# Altium PCB hand_main_board_v2.PcbDoc (part 4 of 4)
Units mil, origin at the board's own origin, x right, y up, seen from the top; angles counter-clockwise.
Board outline 2790.09 x 2362.2 mil, 6 copper layers (Top Layer, GND02, 03, 04, PWR05, Bottom Layer), stack 32.112 mil thick; 213 components, 153 nets, 785 pads, 872 vias.
Unrouted connection lines stored in the file: 240.
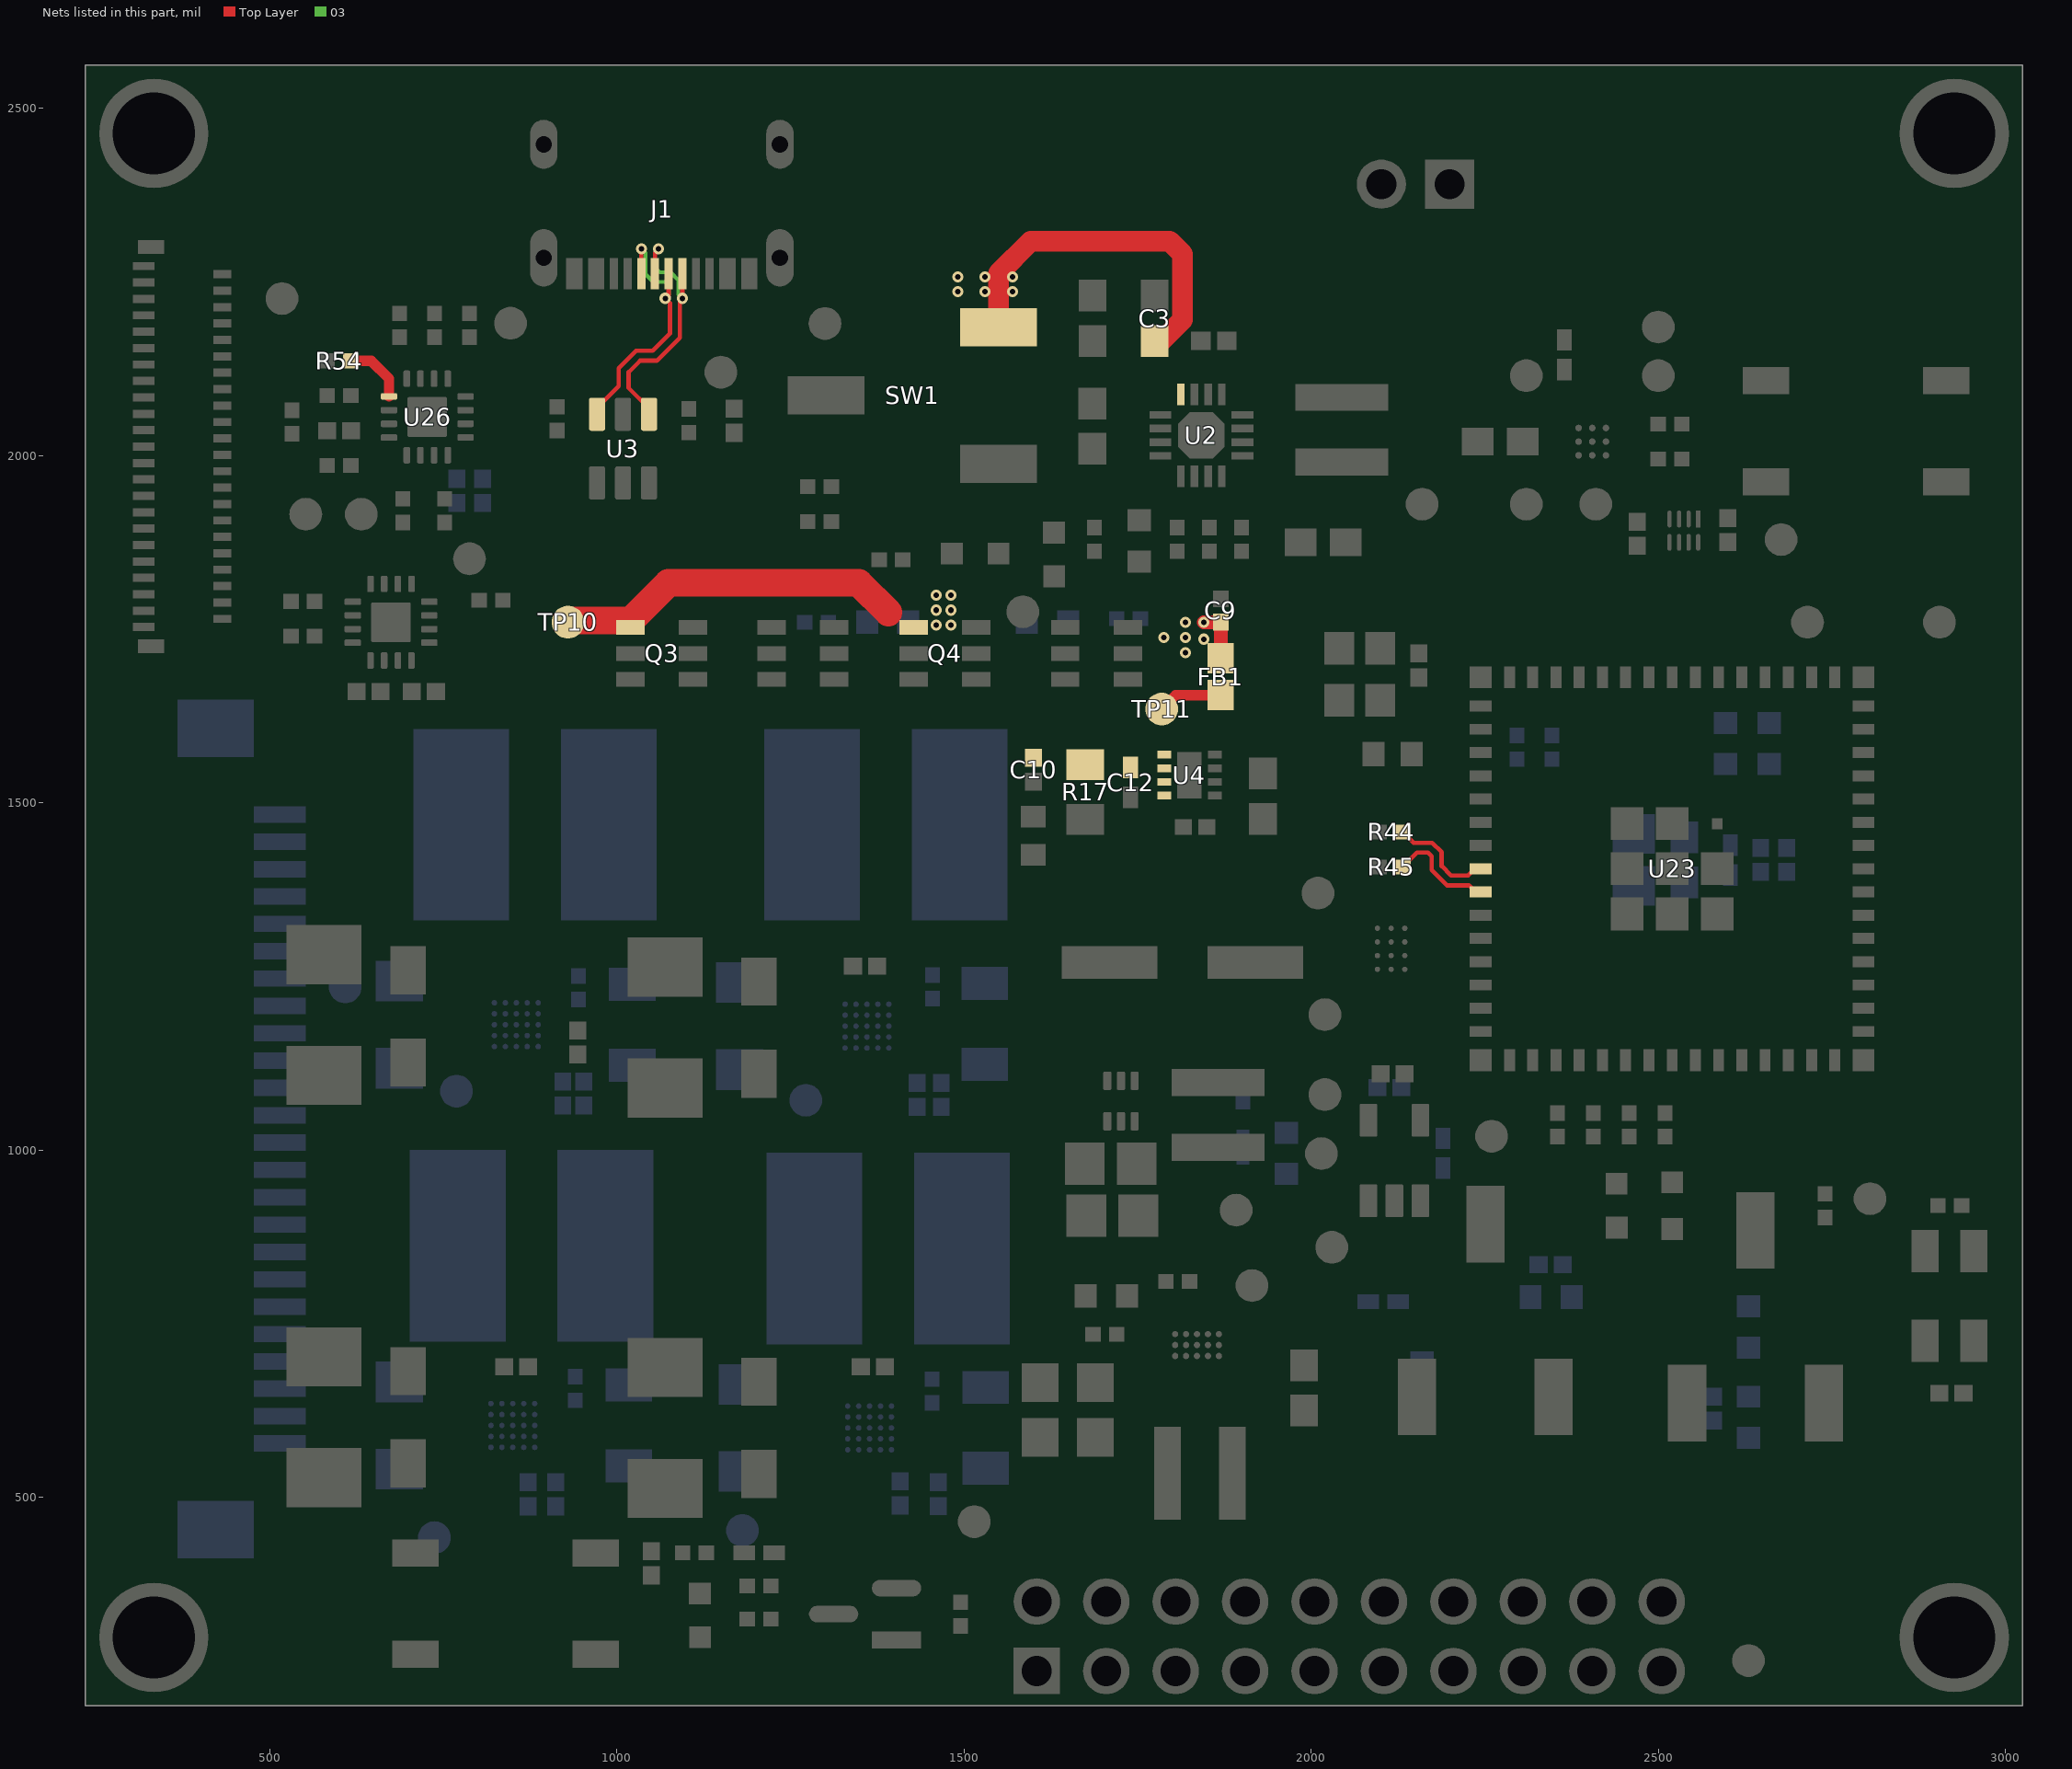
[diagram p8: the nets of this part, all layers, seen from the top]

## Via types
v1: diameter 16, hole 8, Top Layer to Bottom Layer, tented both sides, 757 vias
v2: diameter 10, hole 6, Top Layer to Bottom Layer, tented both sides, 56 vias
v3: diameter 16, hole 12, Top Layer to Bottom Layer, tented both sides, 42 vias
v4: diameter 19.68, hole 7.87, Top Layer to Bottom Layer, 8 vias
v5: diameter 20, hole 10, Top Layer to Bottom Layer, tented both sides, 6 vias
v6: diameter 12, hole 6, Top Layer to Bottom Layer, 2 vias
v7: diameter 16, hole 8, Top Layer to Bottom Layer, 1 vias

## Nets (pads, with @x,y where several pads share a name; then routed paths per layer and width w, separated by ;. In a path a pad name is that pad's centre, name@x,y a point inside that pad or via, vN(x,y) a via of type N, cw(c..) or ccw(c..) an arc to the next point about the centre after c; other vN are vias at no path point) (continued)
USB_D_N: J1.A7 J1.B7 U3.4 | length 397.5
  Top Layer w6.23: U3.4@1046.57,2059.41 1046.57,2067.95 1017.14,2097.39 1017.14,2120 1033.71,2136.57 1057.86,2136.57 1090.94,2169.66 1090.94,2222.77 v1(1094.53,2226.35) J1.B7@1094.53,2261.99 ; J1.A7@1055.16,2261.99 1055.16,2292.63 v1(1060.16,2297.63)
  03 w5.66: v1(1060.16,2297.63) 1055,2292.47 1055,2270.94 1062.28,2263.66 1077.68,2263.66 1088.6,2252.74 1088.6,2232.28 v1(1094.53,2226.35)
USB_D_P: J1.A6 J1.B6 U3.6 | length 399.8
  Top Layer w6.23: U3.6@971.77,2059.41 971.77,2068.93 1002.91,2100.07 1002.91,2125.89 1027.82,2150.8 1051.97,2150.8 1076.71,2175.55 1076.71,2219.48 v1(1069.84,2226.35) ; J1.B6@1035.47,2261.99 v1(1035.47,2297.63) ; v1@1074.84,2226.35 J1.A6@1074.84,2261.99
  03 w5.66: v1(1035.47,2297.63) 1041.34,2291.76 1041.34,2261.19 1052.53,2250 1072.03,2250 1074.94,2247.09 1074.94,2231.45 v1(1069.84,2226.35)
USB_RES_N: R44.1 U23.23 | length 153.7
  Top Layer w6.23: R44.1@2132.22,1457.89 2147.61,1442.49 2174.4,1442.49 2188,1428.89 2188,1409 2201.58,1395.42 2226.29,1395.42 2235.9,1405.04 U23.23@2244.45,1405.04
USB_RES_P: R45.1 U23.24 | length 155.9
  Top Layer w6.23: R45.1@2132.22,1407.63 2152.84,1428.26 2168.51,1428.26 2173.77,1423 2173.77,1403.11 2195.68,1381.19 2227.51,1381.19 2237.13,1371.57 U23.24@2244.45,1371.57
VBUS_INSERT_DETECT: R54.2 U26.9 | length 91.1
  Top Layer w15: R54.2@617.23,2136.31 646.45,2136.31 672.12,2110.65 U26.9@672.12,2085.06
VSYS_FILTED: C10.2 C12.2 FB1.2 R17.2 TP11.TP? U4.1 U4.2 U4.3 U4.4 | length 93.3
  Top Layer w15: TP11.TP?@1785,1635 1805,1655 FB1.2@1870,1655
VSYS_SRC: C3.2 C9.1 FB1.1 Q3.4 Q4.4 SW1.3 TP10.TP? U2.16 | length 1093.1
  Top Layer w20: v1(1845.73,1760) C9.1@1870,1760 FB1.1@1870,1708.23
  Top Layer w30: SW1.3@1550,2186.84 1550,2235.92 1550,2250 1550,2257.42 1550,2262.24 1596.41,2308.65 1796.35,2308.65 1815,2290 1815,2195.5 1784.5,2165 C3.2@1775,2165
  Top Layer w40: TP10.TP?@930,1760 932.4,1762.4 1019.92,1762.4 1074.32,1816.8 1348.54,1816.8 1391.32,1774.02
  other v1: 1819.23,1716.26 1845.73,1735.63 1787.73,1738.13 1819.23,1738.13 1460.06,1755.9 1481.56,1755.9 1819.23,1760 1460.06,1777.4 1481.56,1777.4 1460.06,1798.9 1481.56,1798.9 1491.26,2235.92 1530.63,2235.92 1570,2235.92 1491.26,2257.42 1530.63,2257.42 1570,2257.42
pads on no net: J1.1 J1.2 J1.3 J1.4 J1.A8 J1.B8 J3.P1 J3.P2 J5.46 J5.47 LED4.2 SW1.1 SW4.1 SW4.4 SW5.1 SW5.4 U2.5 U23.20 U28.A3 U28.C2 U28.C3 U29.A3 U29.C2 U29.C3 U30.A3 U30.C2 U30.C3 U31.A3 U31.C2 U31.C3 X1.1

## Polygon pours and split planes (outlines as drawn)
GND on Top Layer "GND_L01_P179" (solid, remove dead copper, pour order 179): 3015,2565 3025,2555 3025,200 3015,190 220,190 180,230 180,2495 250,2565
+1.8V on Top Layer "+1.8V_L01_P117" (solid, pour order 117): 2065,1070 2120,1070 2130,1060 2130,995 2125,990 2065,990 2060,995 2060,1065
+1.8V on Top Layer "+1.8V_L01_P039" (solid, pour order 39): 2427.16,1883.16 2416,1872 2416,1834 2418,1832 2497,1832 2510.3,1845.3 2510.3,1879.24 2506.38,1883.16
+VBUS on Top Layer "+VBUS_L01_P001" (solid, pour order 1): 17 vertices, not listed, extent 915,1960 1070,2025
AGND on Top Layer "AGND_L01_P002" (solid, remove dead copper, pour order 2): 1862,839 1876,825 1876,790 1853,767 1843,767 1843,733.14 1837.77,727.91 1827.61,727.91 1795.52,760 1709,760 1697,772 1697,825 1711,839
TPS63806_L1 on Top Layer "TPS63806_L1_L01_P003" (solid, pour order 3): 1846.28,686.68 1862.16,686.68 1880.25,686.68 1891.85,660.04 1856.97,660.04
TPS63806_L2 on Top Layer "TPS63806_L2_L01_P004" (solid, pour order 4): 1773.6,690.1 1810,690.1 1810,661.22 1773.6,661.22
VSYS_SRC on Top Layer "VSYS_SRC_L01_P161" (solid, pour order 161): 18 vertices, not listed, extent 900,1735 1495,1885
NetQ1_1 on Top Layer "NETQ1_1_L01_P162" (solid, pour order 162): 1000,1730 1127.51,1730 1137.51,1720 1200,1720 1200,1725 1205,1730 1330,1730 1340,1720 1340,1630 1335,1625 995,1625 980,1640 980,1710
NetL6_1 on Top Layer "NETL6_1_L01_P087" (solid, pour order 87): 1385.03,1168.38 1460.92,1168.38 1466.5,1173.95 1466.5,1201.5 1480,1215 1505,1215 1510,1210 1510,1165 1490,1145 1378.5,1145 1376.52,1146.97 1376.52,1159.87
NetC77_1 on Top Layer "NONET_L-01_P-001" (solid, remove dead copper, pour order 173): 1377.51,1042.51 1370,1035 1369,1036 1021,1036 1014,1043 1014,1140 1028.31,1154.31 1298.98,1154.31 1310,1165.33 1310,1185 1350,1185 1369.19,1165.81 1369.19,1154.31 1377.51,1145.99
NetC67_1 on Top Layer "NONET_L-01_P-001" (solid, remove dead copper, pour order 172): 1013,474 1019,468 1316,468 1336,488 1336,558 1323,571 1022,571 1013,562 1013,557
NetL7_1 on Top Layer "NETL7_1_L01_P085" (solid, pour order 85): 881.34,593.33 864.65,593.33 862.1,590.78 862.1,563.42 866.61,558.91 978.91,558.91 990,570 990,630 980,640 940,640 930,630 930,610 913.66,593.66 881.34,593.66
BAT+ on Top Layer "BAT+_L01_P138" (solid, pour order 138): 2558,1980 2560,1982 2603,1982 2620,1999 2620,2060 2615,2065 2565,2065 2554.53,2054.53 2554.53,2036.86 2547.1,2029.43 2524.84,2029.43 2519.13,2023.73 2519.13,1986.17 2525.3,1980
NetL4_1 on Top Layer "NETL4_1_L01_P126" (solid, pour order 126): 18 vertices, not listed, extent 865.13,1140 995,1250
BAT_INSERT_DETECT on Top Layer "BAT_INSERT_DETECT_L01_P037" (solid, pour order 37): 605,2102 638,2102 645,2095 645,2063 630.77,2048.77 630.77,2027.58 624.19,2021 607.42,2021 605,2023.42 605,2101.85
+VBUS on Top Layer "NONET_L-01_P-001" (solid, remove dead copper, pour order 170): 551.7,2135.38 551.7,2211.7 558,2218 645,2218 647,2216 647,2167 641,2161 603.64,2161 595.82,2153.18 595.82,2123.82 593,2121 559,2121 552,2128 552,2135
BAT+ on Top Layer "BAT+_L01_P147" (solid, pour order 147): 18 vertices, not listed, extent 497.28,2053.85 596.28,2185
BQ27427_SRX on Top Layer "BQ27427_SRX_L01_P169" (solid, pour order 169): 2450,2155 2465,2140 2465,2080 2455,2070 2425,2070 2420,2065 2420,2050 2415,2045 2403.26,2045 2397.43,2050.83 2397.43,2082.43 2406.51,2091.51 2406.51,2146.51 2415,2155
BAT+ on Top Layer "BAT+_L01_P010" (solid, pour order 10): 24 vertices, not listed, extent 2050,2034.92 2400,2435
VSYS_SRC on Top Layer "VSYS_SRC_L01_P148" (solid, pour order 148): 26 vertices, not listed, extent 1465,2130 1880,2370
BQ27427_SRX on Top Layer "BQ27427_SRX_L01_P146" (solid, pour order 146): 1800,1805 1805,1800 1805,1784.42 1785.58,1765 1678,1765 1673,1760 1666,1753 1624,1753 1610,1767 1610,1790 1625,1805
+3.3V on Top Layer "+3.3V_L01_P141" (solid, pour order 141): 857,721 857,676 860,673 904,673 913,682 913,717 905,725 861,725
+5V on Top Layer "+5V_L01_P027" (solid, pour order 27): 18 vertices, not listed, extent 1713.86,870 1946.27,1053.63
NetL2_2 on Top Layer "NETL2_2_L01_P042" (solid, pour order 42): 1797.42,1043.34 1919.36,1043.34 1935.63,1027.07 1935.63,971.99 1928.27,964.63 1802.31,964.63 1791.76,975.18 1791.76,1037.45 1797.42,1043.11
+3.3V on Top Layer "+3.3V_L01_P137" (solid, pour order 137): 2555,1890 2625,1890 2635,1880 2635,1845 2625,1835 2570,1835 2550,1855 2550,1885
+3.3V on Top Layer "+3.3V_L01_P134" (solid, pour order 134): 22 vertices, not listed, extent 2015,790 2175,955
+3.3V on Top Layer "+3.3V_L01_P133" (solid, pour order 133): 23 vertices, not listed, extent 1575,635 1796.38,750
BQ27427_SRX on Top Layer "BQ27427_SRX_L01_P132" (solid, pour order 132): 2104,2025 2155,2025 2203,1977 2203,1845 2193,1835 2039.45,1835 2025.07,1849.38 2025.07,1924.93 2005,1945 1965,1945 1935,1975 1935,2019.54 1940.46,2025
+VBUS on Top Layer "+VBUS_L01_P125" (solid, pour order 125): 1136,1751 1136,1735 1144,1727 1189.5,1727 1197.5,1735 1245,1735 1250,1740 1250,1755 1240,1765 1150,1765
+VBUS on Top Layer "+VBUS_L01_P124" (solid, pour order 124): 933.44,2231.26 983.44,2231.26 988.44,2226.26 988.44,2186.26 978.44,2176.26 928.44,2176.26 923.44,2181.26 923.44,2221.26
NetC78_1 on Top Layer "NETC78_1_L01_P116" (solid, pour order 116): 550,580 742,580 770,552 770,480 760,470 555,470 540,485 540,570
NetC68_1 on Top Layer "NETC68_1_L01_P115" (solid, pour order 115): 17 vertices, not listed, extent 521,1021 876.2,1175
VSYS_SRC on Top Layer "VSYS_SRC_L01_P112" (solid, pour order 112): 1760,2120 1780,2120 1805,2095 1805,2075 1810.16,2069.84 1815.5,2069.84 1817.91,2072.25 1817.91,2172.09 1800,2190 1755,2190 1750,2185 1750,2130
VSYS_SRC on Top Layer "VSYS_SRC_L01_P110" (solid, pour order 110): 1790,1755 1780,1755 1770,1745 1770,1700 1785,1685 1875,1685 1885,1695 1885,1765 1875,1775 1810,1775
VSYS_SRC on Top Layer "VSYS_SRC_L01_P099" (solid, pour order 99): 1465,1820 1486.69,1798.31 1486.69,1757.64 1479.04,1750 1390,1750 1385,1755 1385,1810 1395,1820
NetL5_1 on Top Layer "NETL5_1_L01_P082" (solid, pour order 82): 1447,567 1500,620 1500,690 1490,702 1412,702 1405,695 1405,603 1392,590 1392,583 1394.77,580.23 1405.01,580.23 1418.24,567
NetR19_2 on Top Layer "NETR19_2_L01_P081" (solid, pour order 81): 2130,712 2199,712 2214,697 2214,598 2196,580 2132,580 2125,587 2125,707
+V_IN on Top Layer "+V_IN_L01_P080" (solid, pour order 80): 2471,720 2555,720 2576,699 2576,584 2569,577 2460,577 2455,582 2455,704
TPS63806_L1 on Top Layer "TPS63806_L1_L01_P052" (solid, pour order 52): 1865,624 1911,624 1920,615 1920,459 1911,450 1861,450 1855,456 1855,614
TPS63806_L2 on Top Layer "TPS63806_L2_L01_P050" (solid, pour order 50): 1760,625 1809,625 1820,614 1820,457 1807,444 1772,444 1760,456 1760,601.13 1754.83,606.3 1754.83,617.83 1755,618 1755,620
VBUS_INSERT_DETECT on Top Layer "VBUS_INSERT_DETECT_L01_P038" (solid, pour order 38): 606,2152 663,2152 682,2133 682,2083 679,2080 665.29,2080 660.44,2084.85 660.44,2093.9 635.08,2119.27 611.44,2119.27 604.17,2126.53 604.17,2150.17
BQ27427_BIN on Top Layer "BQ27427_BIN_L01_P036" (solid, pour order 36): 2422.74,2026.54 2463.54,2026.54 2475,2038 2475,2124 2484,2133 2520,2133 2525,2128 2525,2080 2518,2073 2518,2030 2505,2017 2422.44,2017 2419.6,2019.84 2419.6,2025.35 2420.72,2026.47
BQ27427_GPOUT on Top Layer "BQ27427_GPOUT_L01_P031" (solid, pour order 31): 22 vertices, not listed, extent 2380,1900 2512,2005.83
BQ27427_VDD on Top Layer "BQ27427_VDD_L01_P030" (solid, pour order 30): 2327,2044 2332,2039 2332,2030 2333,2029 2354,2029 2359,2024 2359,1917 2340,1898 2284,1898 2277,1905 2277,2037 2284,2044
+V_IN on Top Layer "+V_IN_L01_P026" (solid, pour order 26): 27 vertices, not listed, extent 1680,1045 2050,1450
+VBUS on Top Layer "+VBUS_L01_P029" (solid, pour order 29): 1140,2146 1140,2225 1145,2230 1170,2230 1180,2220 1180,2160 1195,2146 1225,2146 1237,2134 1237,2059 1232,2054 1144.09,2054 1131.36,2066.73 1131.36,2138.36 1139,2146
+V_IN on Top Layer "+V_IN_L01_P028" (solid, pour order 28): 1885,735 1880,730 1867.68,730 1862.29,724.61 1862.29,697.79 1863.4,696.68 1878.32,696.68 1885,690 1915,660 2095,660 2115,680 2115,730 2110,735
+V_IN on Top Layer "+V_IN_L01_P025" (solid, pour order 25): 17 vertices, not listed, extent 1852.38,1375 2045,1590
VSYS_FILTED on Top Layer "VSYS_FILTED_L01_P022" (solid, pour order 22): 26 vertices, not listed, extent 1580,1500 1905,1676.69
+VBUS on Top Layer "+VBUS_L01_P008" (solid, pour order 8): 20 vertices, not listed, extent 1614.09,2053.73 1796.89,2285.4
NetC4_2 on Top Layer "NETC4_2_L01_P007" (solid, pour order 7): 1846.27,2079.72 1851.15,2074.84 1965.16,2074.84 1980,2060 2110,2060 2115,2065 2115,2150 2080,2185 1872.24,2185 1865,2177.76 1865,2122.07 1846.27,2103.34
NetQ2_1 on Top Layer "NETQ2_1_L01_P006" (solid, pour order 6): 1390,1730 1380,1720 1380,1670 1405,1645 1732.12,1645 1757.37,1670.25 1757.37,1721.9 1749.27,1730
+3.3V on Top Layer "+3.3V_L01_P005" (solid, pour order 5): 17 vertices, not listed, extent 681.37,1640 750,1735.26
+VBUS on Bottom Layer "+VBUS_L06_P111" (solid, pour order 111): 37 vertices, not listed, extent 547,1743 1660,2279
GND on Bottom Layer "GND_L06_P165" (solid, remove dead copper, pour order 165): 3015,2565 3025,2555 3025,200 3015,190 220,190 180,230 180,2495 250,2565
+1.8V on Bottom Layer "NONET_L-01_P-001" (solid, remove dead copper, pour order 182): 17 vertices, not listed, extent 270,1750 550,2305
+1.8V on Bottom Layer "+1.8V_L06_P100" (solid, pour order 100): 2139.82,1110 2142.82,1107 2142.82,992.82 2135,985 2060,985 2055,990 2055,1020 2065,1030 2100,1030 2118.8,1048.8 2118.8,1108.8 2120,1110
+5V on Bottom Layer "+5V_L06_P181" (solid, pour order 181): 1360.79,1136.97 1367.11,1130.65 1367.11,1119.95 1386.8,1100.26 1386.8,1051.4 1383.64,1048.24 1339.89,1048.24 1334.78,1053.35 1334.78,1134.05 1337.7,1136.97
+5V on Bottom Layer "+5V_L06_P180" (solid, pour order 180): 834.71,1137.4 857.6,1137.4 865,1130 865,1105 870,1100 880,1100 890,1090 890,1057.96 883.47,1051.43 839.64,1051.43 834.54,1056.53 834.54,1132.81 839.3,1137.57
AGND on Bottom Layer "AGND_L06_P178" (solid, pour order 178): 1677,837 1856,837 1880,813 1880,795 1836,751 1679,751 1658,772 1658,817 1677,836
NetC78_1 on Bottom Layer "NETC78_1_L06_P090" (solid, pour order 90): 17 vertices, not listed, extent 658,384 1058,572
FPC_BOS1901_3_OUT− on Bottom Layer "FPC_BOS1901_3_OUT−_L06_P056" (solid, pour order 56): 600.96,470.08 640.41,470.08 650.41,460.08 650.41,410.08 640.41,400.08 598.93,400.08 590.41,408.59 590.41,459.53
NetL6_2 on Bottom Layer "NETL6_2_L06_P063" (solid, pour order 63): 1198.56,1335 1201.59,1331.96 1279.04,1331.96 1334.56,1276.44 1334.56,1220.9 1338.61,1216.85 1354.85,1216.85 1364,1226 1364,1596.46 1353.56,1606.9 1223.56,1606.9 1198.56,1581.9
NetC83_1 on Bottom Layer "NONET_L-01_P-001" (solid, remove dead copper, pour order 164): 1142,1212 1143,1211 1294,1211 1300,1205 1308.05,1205 1316.86,1213.81 1316.86,1258.62 1296.48,1279 1146,1279 1142,1275
NetC77_1 on Bottom Layer "NONET_L-01_P-001" (solid, remove dead copper, pour order 163): 1139,1143 1139,1073 1167,1045 1311.89,1045 1330,1063.11 1330,1145.96 1326.96,1149 1145,1149
NetC74_1 on Bottom Layer "NONET_L-01_P-001" (solid, remove dead copper, pour order 158): 1135,688 1135,641 1146,630 1300,630 1313,617 1319,617 1320,618 1320,652 1279,693 1140,693
NetC67_1 on Bottom Layer "NETC67_1_L06_P091" (solid, pour order 91): 22 vertices, not listed, extent 1118,412 1577,575
BAT+ on Bottom Layer "NONET_L-01_P-001" (solid, remove dead copper, pour order 155): 18 vertices, not listed, extent 2016,1988 2637,2433
NetC84_1 on Bottom Layer "NETC84_1_L06_P107" (solid, pour order 107): 652,686 661,695 778.15,695 813,660.15 813,628.05 808.52,623.57 798.79,623.57 786.42,635.95 770.95,635.95 770,635 660,635 652,643
NetL7_2 on Bottom Layer "NETL7_2_L06_P053" (solid, pour order 53): 811,724 830,705 830,644.92 833.73,641.19 855.55,641.19 870,655.64 870,980 845,1005 711,1005 700,994 700,732 708,724
NetC73_1 on Bottom Layer "NONET_L-01_P-001" (solid, remove dead copper, pour order 151): 651,1215 651,1270 661,1280 776,1280 817.92,1238.08 817.92,1217.48 812.06,1211.62 654.38,1211.62
FPC_BOS1901_4_OUT− on Bottom Layer "NONET_L-01_P-001" (solid, remove dead copper, pour order 150): 478,1022.11 598,1022.11 612,1008.11 612,921.11 607,916.11 483,916.11 475,924.11 475,1019.11 477,1021.11
FPC_BOS1901_4_OUT+ on Bottom Layer "NONET_L-01_P-001" (solid, remove dead copper, pour order 149): 478,904 598,904 612,890 612,803 607,798 483,798 475,806 475,901 477,903
FPC_BOS1901_3_OUT− on Bottom Layer "FPC_BOS1901_3_OUT−_L06_P020" (solid, pour order 20): 476.9,787.9 470,781 470,693 478,685 552.11,685 588,649.11 588,411 598.93,400.08 640.41,400.08 643,402.66 643,734 589.1,787.9
+5V on Bottom Layer "NONET_L-01_P-001" (solid, remove dead copper, pour order 145): 848,555 848,472 844,468 800.9,468 794.62,474.29 794.62,537.62 809,552 821,552 832,563 840,563 843,560
+5V on Bottom Layer "+5V_L06_P129" (solid, pour order 129): 1345,556.26 1378.74,556.26 1390,545 1390,495 1385,490 1350.41,490 1339.54,500.87 1339.54,550.8
+3.3V on Bottom Layer "+3.3V_L06_P122" (solid, pour order 122): 2580,1575 2690,1575 2700,1565 2700,1500 2690,1490 2585,1490 2565,1510 2565,1560
+3.3V on Bottom Layer "+3.3V_L06_P121" (solid, pour order 121): 19 vertices, not listed, extent 2365,1420 2705,1520
+3.3V on Bottom Layer "+3.3V_L06_P120" (solid, pour order 120): 822.5,2035 825,2032.5 825,1955 820,1950 730,1950 725,1955 725,1975 735,1985 780,1985 790,1995 790,2025 800,2035
NetC68_1 on Bottom Layer "NETC68_1_L06_P109" (solid, pour order 109): 985.16,1150.95 1059.05,1150.95 1065,1145 1065,1045 1050,1030 995,1030 975,1050 975,1140 985,1150
NetC77_1 on Bottom Layer "NETC77_1_L06_P108" (solid, pour order 108): 1496.02,1149.8 1565.2,1149.8 1570,1145 1570,1050 1545,1025 1515,1025 1495,1045 1495,1148.64 1496.12,1149.76
NetC68_1 on Bottom Layer "NETC68_1_L06_P089" (solid, pour order 89): 829,1034 815,1020 671,1020 657,1034 657,1139 666,1148 791,1148 819,1148 829,1138
FPC_BOS1901_2_OUT− on Bottom Layer "FPC_BOS1901_2_OUT−_L06_P014" (solid, pour order 14): 578.01,1376.99 590,1365 590,1290 570,1270 475,1270 460,1285 460,1365 470,1375 471.82,1376.99
FPC_BOS1901_2_OUT+ on Bottom Layer "FPC_BOS1901_2_OUT+_L06_P068" (solid, pour order 68): 598.09,1431.91 648.09,1431.91 655,1425 655,1360 650,1355 605,1355 595,1365 595,1428.81
NetL4_2 on Bottom Layer "NETL4_2_L06_P065" (solid, pour order 65): 857,1603 714,1603 706,1595 706,1324 710,1320 800,1320 834.94,1285.06 834.94,1221.85 836.79,1220 856,1220 874,1238 874,1586
NetL4_1 on Bottom Layer "NETL4_1_L06_P064" (solid, pour order 64): 980,1195 1065,1195 1070,1200 1070,1610 1060,1620 925,1620 910,1605 910,1335 925,1320 980,1320 995,1305 995,1265 970,1240 970,1205
NetL6_1 on Bottom Layer "NETL6_1_L06_P062" (solid, pour order 62): 19 vertices, not listed, extent 1415,1155.94 1585,1620
NetL7_1 on Bottom Layer "NETL7_1_L06_P051" (solid, pour order 51): 23 vertices, not listed, extent 899,571.87 1072,1005
NetL5_1 on Bottom Layer "NETL5_1_L06_P048" (solid, remove dead copper, pour order 48): 1575.5,1000.5 1418.39,1000.5 1403,985.06 1403,743 1426,720 1463,720 1473,710 1473,642 1497,618 1559,618 1583,642 1583,993
NetR19_2 on Bottom Layer "NETR19_2_L06_P040" (solid, pour order 40): 2138,659 2208,659 2223,644 2223,614 2216,607 2138,607 2130,615 2130,650 2138,658
FPC_BOS1901_3_OUT+ on Bottom Layer "FPC_BOS1901_3_OUT+_L06_P021" (solid, pour order 21): 571,653.72 571,416 563,408 502,408 490,420 490,540 460,570 460,653.2 477.51,670.71 477.07,671.16 553.57,671.16
FPC_BOS1901_1_OUT− on Bottom Layer "FPC_BOS1901_1_OUT−_L06_P017" (solid, pour order 17): 643.26,1091.74 643.26,1025.76 637.5,1020 585,1020 569.84,1035.16 560.16,1035.16 560,1035 470,1035 465,1040 465,1135 475,1145 555,1145 565,1135 600,1135
FPC_BOS1901_1_OUT+ on Bottom Layer "FPC_BOS1901_1_OUT+_L06_P015" (solid, pour order 15): 635,1260 641,1254 641,1183.5 637.5,1180 585,1180 560,1155 470,1155 460,1165 460,1250 470,1260
FPC_BOS1901_2_OUT+ on Bottom Layer "FPC_BOS1901_2_OUT+_L06_P013" (solid, pour order 13): 623,1505 655,1473 655,1360 650,1355 605,1355 595,1365 573.12,1386.88 551.88,1386.88 550,1385 470,1385 460,1395 460,1490 475,1505
+V_IN on Bottom Layer "+V_IN_L06_P011" (solid, pour order 11): 2535,620 2495,580 2300,580 2210,670 2015,670 2010,675 2010,709.82 2012.54,712.37 2012.54,742.54 2030,760 2515,760 2535,740
BAT+ on 04 "BAT+_L04_P023" (solid, pour order 23): 28 vertices, not listed, extent 488,2020 2140,2465
+1.8V on 04 "NONET_L-01_P-001" (solid, remove dead copper, pour order 143): 2525,1980 2574,1980 2581,1973 2581,1935 2541,1895 2526,1895 2511,1910 2511,1967 2521,1977
+1.8V on 04 "+1.8V_L04_P136" (solid, pour order 136): 2145,1065 2150,1060 2150,1005 2130,985 2065,985 2050,1000 2050,1050 2065,1065
AGND on 04 "AGND_L04_P176" (solid, pour order 176): 1677,837 1856,837 1880,813 1880,795 1836,751 1679,751 1658,772 1658,817 1677,836
+5V on 04 "+5V_L04_P044" (solid, pour order 44): 23 vertices, not listed, extent 782,465 1913,1012
+V_IN on 04 "+V_IN_L04_P139" (solid, pour order 139): 1931.5,928.5 1931.5,660.5 1972,620 2120,620 2155,655 2155,945 2130,970 2055,970 2020,1005 2020,1085 2005,1100 1919,1100 1908,1088 1908,952
BQ27427_SRX on 04 "BQ27427_SRX_L04_P128" (solid, pour order 128): 17 vertices, not listed, extent 1615,1780 2475,2125
BAT+ on 04 "BAT+_L04_P012" (solid, pour order 12): 29 vertices, not listed, extent 2175,310 2715,2072
GND on 04 "GND_L04_P159" (solid, remove dead copper, pour order 159): 3017.99,2564.51 3027.99,2554.51 3027.99,199.51 3017.99,189.51 222.99,189.51 182.99,229.51 182.99,2494.51 252.99,2564.51
+VBUS on 04 "+VBUS_L04_P103" (solid, pour order 103): 31 vertices, not listed, extent 1616,315 2940,2430
VSYS_SRC on 04 "VSYS_SRC_L04_P083" (solid, pour order 83): 1590,1780 1600,1770 1790,1770 1795,1775 1870,1775 1880,1765 1880,1635 1850,1605 1480,1605 1430,1655 1430,1795 1430,2215 1485,2270 1575,2270 1590,2255
FPC_BOS1901_2_OUT− on 04 "FPC_BOS1901_2_OUT−_L04_P076" (solid, pour order 76): 517,1339 517,1389 532,1404 582,1404 592,1394 592,1329 582,1319 537,1319
FPC_BOS1901_2_OUT+ on 04 "FPC_BOS1901_2_OUT+_L04_P075" (solid, pour order 75): 602,1400 607,1405 677,1405 687,1395 687,1365 677,1355 607,1355 602,1360
GND on 03 "1" (solid, remove dead copper, pour order 160): 3015,2565 3025,2555 3025,200 3015,190 220,190 180,230 180,2495 250,2565
+1.8V on 03 "+1.8V_L03_P098" (solid, pour order 98): 370,2325 370,2245 385,2230 415,2230 415,2250 490,2325 490,2360 485,2365 410,2365
+5V on 03 "+5V_L03_P043" (solid, pour order 43): 1915,965 1915,885 1900,870 1525,870 1470,925 874,925 837.71,961.29 837.71,1065.29 835,1068 835,1131.06 841.94,1138 1742,1138
AGND on 03 "AGND_L03_P174" (solid, pour order 174): 1677,837 1856,837 1880,813 1880,795 1836,751 1679,751 1658,772 1658,817 1677,836
FPC_BOS1901_3_OUT− on 03 "FPC_BOS1901_3_OUT−_L03_P157" (solid, pour order 157): 1301.13,608.07 1246.13,608.07 1231.13,623.07 1231.13,638.07 1241.13,648.07 1291.13,648.07 1301.13,638.07
FPC_BOS1901_3_OUT+ on 03 "FPC_BOS1901_3_OUT+_L03_P059" (solid, pour order 59): 1240.2,551.35 1295.2,551.35 1310.2,566.35 1310.2,581.35 1300.2,591.35 1250.2,591.35 1240.2,581.35
FPC_BOS1901_1_OUT+ on 03 "NONET_L-01_P-001" (solid, remove dead copper, pour order 156): 661.64,1105 803,1105 816,1118 816,1163 805,1174 679.64,1174 653.57,1200.07 622.57,1231.07 571.57,1231.07 568.57,1228.07 568.57,1198.07
FPC_BOS1901_1_OUT− on 03 "NONET_L-01_P-001" (solid, remove dead copper, pour order 154): 572,1097 588,1097 632,1053 632,1023 629,1020 578,1020 547,1051 547,1082 559,1094 569,1094
FPC_BOS1901_4_OUT+ on 03 "NONET_L-01_P-001" (solid, remove dead copper, pour order 153): 804,601 697,601 623,675 623,866 613,876 548,876 531,859 531,572 582,521 776,521 807,552 807,598
FPC_BOS1901_4_OUT− on 03 "NONET_L-01_P-001" (solid, remove dead copper, pour order 127): 556,993 563,1000 768,1000 827,941 827,631 807,611 715,611 700,626 700,846 655,891 567,891 556,902
+1.8V on 03 "+1.8V_L03_P095" (solid, pour order 95): 685,1660 695,1650 695,1620 685,1610 645,1610 630,1625 630,1650 640,1660
FPC_BOS1901_3_OUT+ on 03 "FPC_BOS1901_3_OUT+_L03_P058" (solid, pour order 58): 550,470 560,460 560,420 550,410 510,410 500,420 500,460 510,470
FPC_BOS1901_3_OUT− on 03 "FPC_BOS1901_3_OUT−_L03_P057" (solid, pour order 57): 596.99,468.31 636.31,468.31 646.31,458.31 646.31,414.31 639,407 607.63,407 586.31,428.31 586.31,457.64
TPS63806_L1 on 03 "TPS63806_L1_L03_P035" (solid, pour order 35): 1854,696 1911,696 1922.61,684.39 1922.61,598.61 1912,588 1853,588 1845,596 1845,687
TPS63806_L2 on 03 "TPS63806_L2_L03_P034" (solid, pour order 34): 1810,691 1812,689 1812,597 1805,590 1764,590 1753,601 1753,620 1753,687 1757,691
AGND on GND02 "AGND_L02_P130" (solid, pour order 130): 1677,837 1856,837 1880,813 1880,795 1836,751 1679,751 1658,772 1658,817 1677,836
GND on GND02 "GND_L02_P175" (solid, remove dead copper, pour order 175): 3015,2565 3025,2555 3025,200 3015,190 220,190 180,230 180,2495 250,2565
+3.3V on PWR05 "+3.3V_L05_P131" (solid, remove dead copper, pour order 131): 3015,2565 3025,2555 3025,200 3015,190 220,190 180,230 180,2495 250,2565
AGND on PWR05 "AGND_L05_P177" (solid, pour order 177): 1677,837 1856,837 1880,813 1880,795 1836,751 1679,751 1658,772 1658,817 1677,836

## Keep-outs
Keep-Out Layer:
  circle w0.5: c951.22,2304.29 r12.8
  circle w0.5: c1178.78,2304.29 r13.05
  lines w5: 234.67,2562.18 3024.43,2562.18 ; 235,2562.2 235,200 3024.76,200 3024.76,2562.2

## Other copper
Top Layer:
  pour cut-out: 745.3,2247.59 768.91,2247.59 773.33,2243.16 773.33,2240.97 768.91,2236.55 756.33,2236.55
  pour cut-out: 2078.78,1366.96 2061.96,1366.96 2060,1365 2060.19,1365 2066.46,1358.73 2074.36,1366.62 2077.09,1366.62
  pour cut-out: 1629,806.31 1692.25,869.56 1704.81,869.56
  pour cut-out: 2085,745 2085,787.79 2117.21,787.79 2117.21,745
  pour cut-out: 2117.21,742.21 2117.21,787.79 2117.21,742.21
  pour cut-out: 1849.06,764.33 1860.73,764.33 1873.2,751.86 1858.26,736.93 1848.47,736.93
  pour cut-out: 1842.21,2370 1842.21,2377.21 2050,2377.21 2050,2370
  pour cut-out: 2927.99,672.2 2927.99,689.59 2930,689.59 2930,672.2
  pour cut-out: 1462.41,345.81 1462.41,350 1480,350 1480,345.81
  pour cut-out: 665,449.68 665,460 753.62,460 753.62,449.68
  pour cut-out: 777.21,472.79 777.21,473.33 821.65,473.33 821.65,472.79
  pour cut-out: 1484.88,2023 1484.88,2147.28 1497,2147.28 1497,2023
  pour cut-out: 1484.88,2025.56 1484.88,2147.28 1484.88,2025.56
  pour cut-out: 2098.9,959.42 2098.9,983 2102,983 2102,959.42
  pour cut-out: 2332.24,1461.07 2332.24,1461.91 2421.24,1461.91 2421.24,1461.07
  pour cut-out: 2270.2,1454.09 2270.2,1457.13 2312.44,1457.13 2312.44,1454.09
  pour cut-out: 2024,1595 2024,1597.72 2072.04,1597.72 2072.04,1595
  pour cut-out: 2570,340 2570,380 2590,380 2590,340
  pour cut-out: 1588.22,212.74 1588.22,390.5 2073.72,390.5 2073.72,212.74
  pour cut-out: 2260,500 2260,510 2370,510 2370,500
  pour cut-out: 2502.08,720 2502.08,777.75 2513,777.75 2513,720
  pour cut-out: 2410,810 2480,810
  pour cut-out: 2310,746.86 2310,760 2366.66,760 2366.66,746.86
  pour cut-out: 2465.61,925.73 2465.61,930 2490,930 2490,925.73
  pour cut-out: 2914.09,765.94 2914.09,814.06 2984.17,814.06 2984.17,765.94
  pour cut-out: 2143,1347.17 2143,1390.83 2161.16,1390.83 2161.16,1347.17
  pour cut-out: 789.25,1700 789.25,1704.88 812,1704.88 812,1700
  pour cut-out: 1798.5,1043.34 1798.5,1076.5 1919.36,1076.5 1919.36,1043.34
  pour cut-out: 2910,689.59 2910,770.41 2930,770.41 2930,689.59
  pour cut-out: 1094.12,315 1094.12,341.08 1100,341.08 1100,315
  pour cut-out: 1073.87,342.64 1073.87,399.37 1083.31,399.37 1083.31,342.64
  pour cut-out: 1505,1838.29 1505,1845 1529.53,1845 1529.53,1838.29
  pour cut-out: 1505,1845 1530,1845
  pour cut-out: 1910,1935 1910,1937.79 1957.79,1937.79 1957.79,1935
  pour cut-out: 1655.61,1830 1655.61,1914.91 1690,1914.91 1690,1830
  pour cut-out: 730.73,2131.76 730.73,2142.25 749.34,2142.25 749.34,2131.76
  pour cut-out: 926,2107 926,2164.8 928,2164.8 928,2107
  pour cut-out: 848.86,2096.26 848.86,2156.91 851.66,2156.91 851.66,2096.26
  pour cut-out: 1029,2194 1029,2214 1050,2214 1050,2194
  pour cut-out: 2520,1565.5 2520,1580 2623.41,1580 2623.41,1565.5
  pour cut-out: 495,1987.3 495,2027.9 517.16,2027.9 517.16,1987.3
  pour cut-out: 683.16,1830.66 683.16,1836.35 691.19,1836.35 691.19,1830.66
  pour cut-out: 1779.49,1880 1779.49,1880.85 1795,1880.85 1795,1880
  pour cut-out: 1865,1885 1865,1905 1890,1905 1890,1885
  pour cut-out: 1937.9,835 1937.9,850 1998.67,850 1998.67,835
  pour cut-out: 1060,2045.9 1060,2060 1083.54,2060 1083.54,2045.9
  pour cut-out: 1980,2025 1980,2060 2115,2060 2115,2025
  pour cut-out: 1820,456 1820,614 1855,614 1855,456
03:
  pour cut-out: 450.64,2194.26 450.64,2279.26 519.56,2279.26 519.56,2194.26
  pour cut-out: 606.09,2157.5 606.09,2242.5 675,2242.5 675,2157.5
  pour cut-out: 1340,550 1340,590 1400,590 1400,550
  pour cut-out: 2058.34,1085 2058.34,1106.64 2085,1106.64 2085,1085
  pour cut-out: 1840,1140.92 1840,1175 1872.69,1175 1872.69,1140.92
  pour cut-out: 2169.64,2055 2169.64,2162.37 2170,2162.37 2170,2055
  pour cut-out: 2083,1435 2083,1442 2175,1442 2175,1435
  pour cut-out: 874.1,1209.83 874.1,1268.06 882.19,1268.06 882.19,1209.83
  pour cut-out: 1171,1232 1171,1256 1203,1256 1203,1232
  pour cut-out: 1151,1265 1151,1304 1333,1304 1333,1265
  pour cut-out: 1134,1308 1134,1329 1186,1329 1186,1308
  pour cut-out: 1864.37,1140.92 1864.37,1157 1881,1157 1881,1140.92
  pour cut-out: 1176.12,2025 1176.12,2041.66 1215,2041.66 1215,2025
  pour cut-out: 1925,1320 1925,1325 1960,1325 1960,1320
  pour cut-out: 1152,662 1152,682 1197,682 1197,662
  pour cut-out: 2165,2005 2165,2030 2425,2030 2425,2005
  pour cut-out: 1823.68,1778 1823.68,1803.03 1860.62,1803.03 1860.62,1778
  pour cut-out: 995,1605 995,1655 1005,1655 1005,1605
04:
  rectangle net FPC_BOS1901_2_OUT+: 1223,1110.31 1299,1171.31
  rectangle net FPC_BOS1901_2_OUT−: 1223,1187 1299,1248
  pour cut-out: 1110.24,1020 1110.24,1111.95 1120,1111.95 1120,1020
  pour cut-out: 848.46,577.76 848.46,621.2 898.42,621.2 898.42,577.76
  pour cut-out: 1385,2078.98 1385,2098.38 1433.86,2098.38 1433.86,2078.98
  pour cut-out: 555,2045 575,2045 580,2040 580,2030 570,2020 560,2020 545,2035
  pour cut-out: 1333.9,2010.58 1419.42,2010.58 1420,2010 1420,2005 1410,1995 1349.48,1995
  pour cut-out: 2490,1915 2502.36,1915 2504.69,1912.67 2504.69,1890.69 2501.11,1887.12 2492.88,1887.12 2480,1900 2480,1905
  pour cut-out: 2560,2110 2585,2110 2585,2095 2580,2090 2560,2090 2555,2095 2555,2105
  pour cut-out: 1688.08,2275.05 1693.14,2269.99 1700.17,2269.99 1697.84,2267.66 1691.56,2267.66 1687.7,2271.52 1687.7,2274.12 1689.17,2275.59 1689.17,2280.51
  pour cut-out: 1785,2020 1790,2015 1800,2015 1800,2030 1795,2035 1785,2035
  pour cut-out: 1380,560 1380,600 1420,600 1420,560
Bottom Layer:
  pour cut-out: 1994.66,1062.16 1994.66,1074.52 1997.48,1074.52 1997.48,1062.16
  pour cut-out: 1991.61,991.58 1991.61,999.15 1991.61,991.58
  pour cut-out: 1882.7,899.76 1882.7,969.24 1907.69,969.24 1907.69,899.76
  pour cut-out: 2518.9,769.42 2600.58,769.42 2605,765 2605,760 2529.42,760 2522.21,767.21
  pour cut-out: 1898.81,763.81 2006.19,763.81 2010,760 2010,750.2 2002.35,742.54 1920.08,742.54
  pour cut-out: 2296.81,576.1 2308.9,576.1 2315,570 2315,560 2310,555 2295,555 2285,565 2285.71,565
  pour cut-out: 1133.26,1207.08 1133.26,1154.74 1142,1146 1142,1198.34
  pour cut-out: 1586.42,569.9 1586.42,634.79 1590.21,634.79 1590.21,569.9
  pour cut-out: 1922.63,1091.14 1922.63,1092.33 1942.27,1092.33 1942.27,1091.14
  pour cut-out: 2602.99,741.56 2602.99,749.12 2657.01,749.12 2657.01,741.56
  pour cut-out: 1198.71,990.71 1198.71,1030 1204,1030 1204,990.71
  pour cut-out: 1137,577 1137,623 1145,623 1145,577
  pour cut-out: 1067.21,563.9 1067.21,592.79 1067.42,592.79 1067.42,563.9
  pour cut-out: 1282,1780.63 1282,1791 1283.86,1791 1283.86,1780.63
  pour cut-out: 1072.21,1152.21 1072.21,1192.79 1077.21,1192.79 1077.21,1152.21
  pour cut-out: 939.63,1115 939.63,1121.74 965,1121.74 965,1115
  pour cut-out: 1577.21,1009.92 1577.21,1042.79 1579.4,1042.79 1579.4,1009.92
  pour cut-out: 1580.2,1145 1580.2,1212.79 1592.21,1212.79 1592.21,1145
  pour cut-out: 1445,1085 1445,1090 1490,1090 1490,1085
  pour cut-out: 1367.21,1322.79 1367.21,1607.21 1407.79,1607.21 1407.79,1322.79
  pour cut-out: 879,1335 879,1615 910,1615 910,1335
  pour cut-out: 870,743 870,980 899,980 899,743
  pour cut-out: 1374,730 1374,985.23 1405,985.23 1405,730

## Silkscreen, mask and mechanical layers (free items; w line width, h text height)
Top Overlay:
  drawing of 25 lines, arcs and shapes, not listed
  text "Charge" at 1348,2464.99 h60
  text "OFF" at 1350,2355 h60
  text "HAND_V2.0" at 2373.78,2293.78 h60
  text "+" at 2083,2210 h60
  text "-" at 2179,2210.01 h60
  text "BOOT" at 2760,1848 h60
  text "High Voltage" at 648,1453.99 h60
  text "6mil/7.8mil 填樹脂" at 3335,1429.24 h30
  text "5v" at 2190,455 h60
  text "ON" at 2121,451 h60 r90
  text "3v3" at 2585,450 h60
  text "ON" at 2552,448 h60 r90
  text "OFF" at 2452,427 h60 r90
  text "OFF" at 2849,424 h60 r90
  text "EN" at 551,314 h60
Bottom Overlay:
  drawing of 29 lines, arcs and shapes, not listed
  text "High Voltage" at 1851,1907.99 h60
  text "SPI3" at 1834.13,665.87 h39.37
  text "CH101" at 2033.13,661.87 h39.37
  text "Other" at 2034.13,565.87 h39.37
  text "SPI2" at 1834.13,564.87 h39.37
  text "SDI" at 1841.13,459.87 h31.5
  text "SDO" at 1645.13,458.87 h31.5
  text "SCK" at 1747.13,458.87 h31.5
  text "SDA" at 2048.29,458.87 h31.5
  text "DP4" at 2249.13,458.87 h31.5
  text "BAT" at 2349.13,458.87 h31.5
  text "USB" at 2456.13,458.87 h31.5
  text "GND" at 2555.13,458.87 h31.5
  text "SCL" at 1945.39,457.91 h31.5
  text "RGB" at 2146.13,458.37 h31.5
  text "SDO" at 1645.13,411.87 h31.5
  text "3v3" at 2450.43,411.85 h31.5
  text "1v8" at 2550.71,411.85 h31.5
  text "SCK" at 1747.13,410.87 h31.5
  text "SCL" at 1948.39,410.91 h31.5
  text "RX2" at 2246,410.56 h31.5
  text "EN" at 2335.13,410.87 h31.5
  text "SDI" at 1842.38,410.5 h31.5
  text "SDA" at 2047.39,409.91 h31.5
  text "TX1" at 2142.49,409.91 h31.5
Drill Drawing:
  text ".Legend" at 3255,2039.99 h60